# Altium PCB BMYY_PCB_RULER-Pink.PcbDoc (part 1 of 4)
Units mm, origin at the board's own origin, x right, y up, seen from the top; angles counter-clockwise.
Board outline 310.85 x 30 mm, 2 copper layers (Top, Bottom), stack 1.569 mm thick; 49 components, 0 nets, 2684 pads, 0 vias.
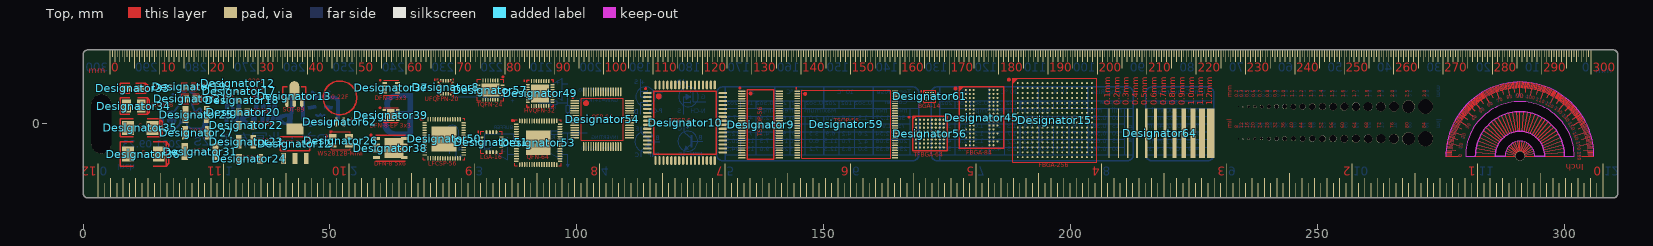
[diagram p0: Top view]
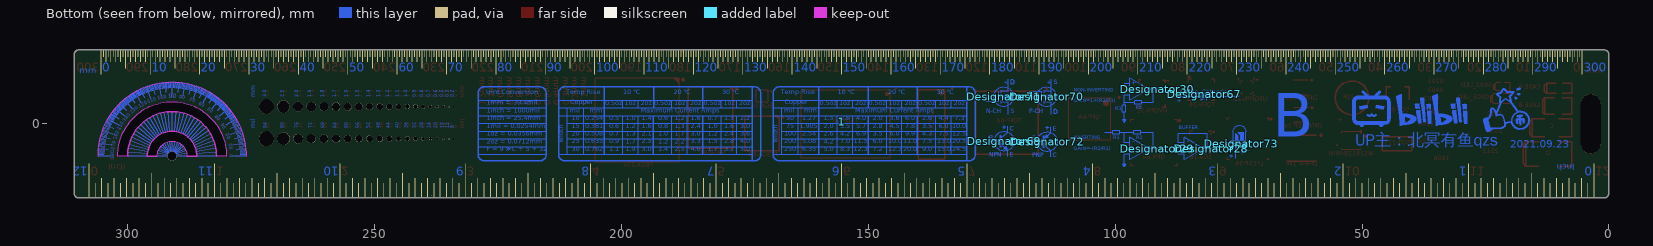
[diagram p1: Bottom view, seen from below]

## Layer stack, top to bottom
Solder Mask Top: solder mask 0.0102, Solder Resist, Dk 3.5
Top: signal copper 0.0343
Dielectric 1: dielectric 1.5, FR-4, Dk 4.3
Bottom: signal copper 0.0343
Solder Mask Bottom: solder mask 0.0102, Solder Resist, Dk 3.5

## Board outline
1,-15 cw(c1,-14) 0,-14 0,14 cw(c1,14) 1,15 309.85,15 cw(c309.85,14) 310.85,14 310.85,-14 cw(c309.85,-14) 309.85,-15
cut-out: 286,-6.5 cw(c291,-6.5) 296,-6.5 294,-6.5 ccw(c291,-6.5) 288,-6.5
cut-out: 280,-6.5 282,-6.5 cw(c291,-6.5) 300,-6.5 302,-6.5 ccw(c291,-6.5)
cut-out: 280,-6.5 282,-6.5 cw(c291,-6.5) 300,-6.5 302,-6.5 ccw(c291,-6.5)
cut-out: 286,-6.5 cw(c291,-6.5) 296,-6.5 294,-6.5 ccw(c291,-6.5) 288,-6.5

## Design rules (kind name [scope] priority, off if disabled: settings)
Clearance "Clearance - Default - DEFAULT- SMD" [IsVia vs IsSMTPin] p1: gap=0.152 ignorepadtopadclearanceinfootprint=FALSE
Clearance "Clearance - Default - DEFAULT - Via" [IsVia vs IsVia] p2: gap=0.152 ignorepadtopadclearanceinfootprint=FALSE
Clearance "Clearance - Default - DEFAULT - Net" [All] p3: gap=0.152 ignorepadtopadclearanceinfootprint=FALSE except(0: Arc-Hole Track-Hole SMDPad-Hole THPad-Hole Via-Hole Fill-Hole Poly-Hole Region-Hole Text-Hole; 0.254: Text-Text)
ComponentClearance "ComponentClearance - Default - DEFAULT" [All] p1: gap=0 collisioncheckmode=3 verticalgap=0 showdistances=FALSE
FanoutControl Fanout_Small [(CompPinCount < 5)] p3: bgadir=Out bgaviamode=Centered fanoutstyle=Auto fanoutdirection=OutThenIn viagrid=0.025 // Fanout_Small (Default Rule)
FanoutControl Fanout_SOIC [IsSOIC] p4: bgadir=Out bgaviamode=Centered fanoutstyle=Auto fanoutdirection=Alternating viagrid=0.025 // Fanout_SOIC (Default Rule)
HoleToHoleClearance "HoleToHoleClearance - Default - DEFAULT" [All] p1: gap=0.152 allowstackedmicrovias=TRUE
Length "Default Length" [All] p1: maxlimit=1270 minlimit=0
MaxMinImpedance "Default Impedance" [All] p1: minimum=50.00 maximum=150.0
ParallelSegment "Default Parallel Segment Adjasent" [All] p1: limit=25.4 gap=5.08
ParallelSegment "Default Parallel Segment Same Layer" [All] p2: limit=25.4 gap=5.08
PlaneConnect "Default PlaneConnect" [All] p1: planeconnectstyle=Relief reliefexpansion=0.508 reliefentries=0 reliefconductorwidth=0.381 reliefairgap=0.254
PolygonConnect "PolygonConnect - Default SMT" [IsSMTPin] p1: connectstyle=Relief reliefconductorwidth=0.254 reliefentries=4 polygonreliefangle="45 Angle" airgapwidth=0.254
PolygonConnect "PolygonConnect - Default Pad" [All] p2: connectstyle=Relief reliefconductorwidth=0.381 reliefentries=4 polygonreliefangle="45 Angle" airgapwidth=0.254
RoutingLayers "RoutingLayers - Default - DEFAULT" [All] p1: top layer_v5=TRUE bottom layer_v5=TRUE
RoutingPriority "RoutingPriority - Default - DEFAULT" [All] p1: routingpriority=3
RoutingTopology "Default Routing Topology" [All] p1: topology=Shortest
RoutingVias "RoutingVias - Default - DEFAULT" [All] p1: holewidth=0.94 width=1.397 viastyle="Through Hole" minholewidth=0.94 minwidth=1.397 maxholewidth=0.94 maxwidth=1.397
SMDToCorner "SMDToCorner - Default - DEFAULT" [All] p1: distance=60000
SolderMaskExpansion [All] p1: expansion=0.102 istentingtop=FALSE
Width "Default Width" [All] p1: maxlimit=0.305 minlimit=0.152 preferedwidth=0.152
22 further rules are at their usual default settings.

## Components (designator, comment, footprint, x,y, rotation, side; value= is the part's Value field where it differs from the comment)
1 "RULE17AA" RULE17AA 155.421,0.398 r180 bottom locked
Designator8 "Comment" UFQFPN-20 73.416,7.406 r270 top
Designator9 "Comment" TSSOP-56 137.209,-0.12 r270 top
Designator10 "Comment" TQFP-64_14X14X08P 121.929,0.237 r270 top
Designator12 "Comment" 0201 31.364,8.2 r0 top
Designator12 "Comment" SOT-223 42.9,-4 r270 top
Designator13 "Comment" SOT-89(SOT-89-3) 42.785,4.4 r270 top
Designator15 "Comment" FBGA-256 196.796,0.756 r270 top
Designator17 "Comment" 0402 31.624,6.665 r0 top
Designator18 "Comment" 0603 32.185,4.821 r0 top
Designator19 "Comment" 0603_LED_S1 21.5,7.5 r180 top
Designator20 "Comment" 0805 32.42,2.405 r0 top
Designator21 "Comment" 0805_LED_S1 21.8,5.1 r180 top
Designator22 "Comment" 1206 33.005,-0.29 r0 top
Designator23 "Comment" 1210 33.005,-3.59 r0 top
Designator24 "Comment" 1806 33.7,-7.1 r0 top
Designator25 "Comment" 1812 22.9,1.9 r0 top
Designator26 "Comment" LED-SMD_4P-L3.5-W3.5-TL_WS2812B 52.207,-3.432 r0 top
Designator27 "Comment" 2010 23,-1.8 r0 top
Designator28 "Comment" BUFFER 80.5,-5 r180 bottom
Designator29 "Comment" INVERTING 91.5,-5 r180 bottom
Designator30 "Comment" NON-INVERTING 91.5,7 r180 bottom
Designator31 "Comment" 2512 23.7,-5.6 r0 top
Designator33 "Comment" CASE-A_3216 10.09,7.2 r0 top
Designator34 "Comment" CASE-B_3528 10.28,3.6 r0 top
Designator35 "Comment" CASE-C_6032 11.56,-0.8 r0 top
Designator36 "Comment" CASE-D_7343 12.2,-6.1 r0 top
Designator37 "Comment" DFN-8_3X3MM 62.4,7.325 r270 top
Designator38 "Comment" DFN-8_5X6MM 62.225,-4.892 r270 top
Designator39 "Comment" DFN-8_EP_3X3MM 62.332,1.797 r270 top
Designator45 "Comment" FBGA-84_9X12.5MM 181.981,1.281 r270 top
Designator49 "Comment" HVQFN-32_5X5X05P 92.563,6.165 r270 top
Designator50 "Comment" LFCSP-56_8X8X05P 73.107,-3.038 r270 top
Designator51 "Comment" LGA-16_4X4MM 82.711,-3.705 r270 top
Designator53 "Comment" QFN-64_9X9X05P 92.16,-3.811 r270 top
Designator54 "Comment" QFP-64_10X10X05P 105.112,0.952 r270 top
Designator56 "Comment" TFBGA-64 171.495,-1.958 r270 top
Designator57 "Comment" TQFN-24_EP_4X5X05P 82.503,6.842 r180 top
Designator59 "Comment" TSOP-56_14X20MM 154.53,-0.109 r0 top
Designator61 "Comment" BGA-14 171.438,5.587 r270 top
Designator62 "Comment" CAP-TH_DMS3R3224 52.018,0.42 r270 top
Designator64 "Comment" PITCHAAAAA 207.791,-1.9 r90 top
Designator67 "Comment" DIODE-SYMB 82,6 r180 bottom
Designator69 "Comment" NPN-SYMB 122.459,-3.5 r180 bottom
Designator70 "Comment" PMOS-SYMB 113.9,5.5 r180 bottom
Designator71 "Comment" NMOS-SYMB 122.6,5.5 r180 bottom
Designator72 "Comment" PNP-SYMB 113.759,-3.6 r180 bottom
Designator73 "Comment" LED-GUIDE 74.5,-4 r180 bottom
? "RULE17AA" RULE17AA 155.421,0.398 r0 top locked

## Footprints (in the part's own frame and the unit in brackets; to place one, negate y for a bottom-side part, rotate by r counter-clockwise, add the part's x,y. Pads: shape width x height; smd on the part's side, far side on the other; paste and mask are expansions set on the pad)
0201 [mm]
  rect 0.36x0.4 smd mask+0.051: 1(-0.285,0) 2(0.285,0)
0402 [mm]
  rect 0.6x0.65 smd mask+0.051: 1(-0.425,0) 2(0.425,0)
0603 [mm]
  rect 0.93x0.98 smd: 1(-0.77,0) 2(0.77,0)
0603_LED_S1 [mm]
  rect 0.93x0.98 smd: A(0.77,0) K(-0.77,0)
  Top region: -1.975,-0.6 -1.675,-0.6 -1.675,0.6 -1.975,0.6
  Top lines w0.2: 0.4,0.79 1.535,0.79 1.535,-0.79 0.4,-0.79 ; -0.4,0.79 -1.3,0.79 -1.5,0.597 -1.5,-0.597 -1.3,-0.79 -0.4,-0.79
  body extent -0.8,-0.4 0.8,0.4, height 0.6
0805 [mm]
  rect 1.16x1.47 smd: 1(-0.89,0) 2(0.89,0)
  body extent -1,-0.63 1,0.63, height 0.55
0805_LED_S1 [mm]
  rect 1.16x1.47 smd: A(0.89,0) K(-0.89,0)
  Top region: -2.245,-0.8 -1.945,-0.8 -1.945,0.8 -2.245,0.8
  Top lines w0.2: 0.45,1.035 1.77,1.035 1.77,-1.035 0.45,-1.035 ; -0.45,1.035 -1.55,1.035 -1.77,0.8 -1.77,-0.8 -1.535,-1.035 -0.45,-1.035
  body extent -1.01,-0.62 1.01,0.62, height 1.1
1206 [mm]
  rect 1.13x1.8 smd: 1(-1.49,0) 2(1.49,0)
1210 [mm]
  rect 1.16x2.72 smd: 1(-1.475,0) 2(1.475,0)
1806 [mm]
  rect 1.2x2.1 smd: 1(-2.15,0) 2(2.15,0)
1812 [mm]
  rect 1.2x3.42 smd: 1(-2.15,0) 2(2.15,0)
2010 [mm]
  rect 1.2x2.67 smd: 1(-2.34,0) 2(2.34,0)
2512 [mm]
  rect 1.25x3.42 smd: 1(-3.1,0) 2(3.1,0)
BGA-14 [mm]
  round 0.3 smd mask+0.051: A1(-0.75,-0.75) A2(-0.75,-0.25) A3(-0.75,0.25) A4(-0.75,0.75) B1(-0.25,-0.75) B3(-0.25,0.25) B4(-0.25,0.75) C1(0.25,-0.75) C2(0.25,-0.25) C3(0.25,0.25) C4(0.25,0.75) D1(0.75,-0.75) D2(0.75,-0.25) D4(0.75,0.75)
  Top circle w0.25: c-1.05,-1.7 r0.12
  Top lines w0.2: -0.975,-1.2 -1.175,-0.975 ; 1.2,-1.2 -1.2,-1.2 -1.2,1.2 1.2,1.2 1.2,-1.2
BUFFER [mm]
  Top lines w0.152: 0,0 -1.6,0 ; -0.8,0 -0.8,3.05 -6.697,3.05 -6.697,1.15 -5.497,1.15 ; -6.697,-1.15 -5.497,-1.15 ; -1.6,0 -5.497,2.25 -5.497,1.15 ; -1.6,0 -5.497,-2.25 -5.497,-1.15 ; -5.497,-1.15 -5.497,1.15
CAP-TH_DMS3R3224 [mm]
  rect 1.8x0.5 smd: 1(-0.001,0.749) 2(0.001,-0.749)
  Top circle w0.254: c-4.86,0 r3.401
CASE-A_3216 [mm]
  rect 1.8x1.35 smd: 1(1.31,0) 2(-1.31,0)
  Top lines w0.254: -0.6,-1.002 -2.537,-1.002 -2.537,1.002 -0.6,1.002 ; 0.6,-1.002 2.537,-1.002 ; 0.6,1.002 2.537,1.002 ; 2.537,-1.002 2.973,-0.6 2.973,0.6 2.537,1.002 ; 2.537,-1.002 2.537,1.002
  body extent -1.7,-0.84 1.7,0.84, height 1.71
CASE-B_3528 [mm]
  rect 1.8x2.6 smd: 1(1.5,0) 2(-1.5,0)
  Top lines w0.254: -0.8,-1.65 -2.727,-1.65 -2.727,1.65 -0.8,1.65 ; 0.8,-1.65 2.727,-1.65 ; 0.8,1.65 2.727,1.65 ; 2.727,-1.65 2.727,1.65 ; 2.727,-1.65 3.163,-1.2 3.163,1.2 2.727,1.65
  body extent -1.85,-1.47 1.85,1.46, height 2.03
CASE-C_6032 [mm]
  rect 2.4x2.8 smd: 1(2.48,0) 2(-2.48,0)
  Top lines w0.254: -1.4,-1.85 -4.007,-1.85 -4.007,1.85 -1.4,1.85 ; 1.4,-1.85 4.007,-1.85 ; 1.4,1.85 4.007,1.85 ; 4.007,-1.85 4.007,1.85 ; 4.007,-1.85 4.47,-1.2 4.47,1.2 4.007,1.85
  body extent -3.05,-1.68 3.05,1.67, height 2.7
CASE-D_7343 [mm]
  rect 2.4x3 smd: 1(3.12,0) 2(-3.12,0)
  Top lines w0.254: -2,-2.5 -4.647,-2.5 -4.647,2.5 -2,2.5 ; 2,-2.5 4.647,-2.5 ; 2,2.5 4.647,2.5 ; 4.647,-2.5 4.647,2.5 ; 4.647,-2.5 5.1,-1.9 5.1,1.9 4.647,2.5
  body extent -3.7,-2.23 3.7,2.22, height 3.01
DFN-8_3X3MM [mm]
  rect 0.4x1 smd mask+0.051: 1(-0.975,-1.3) 2(-0.325,-1.3) 3(0.325,-1.3) 4(0.975,-1.3) 5(0.975,1.3) 6(0.325,1.3) 7(-0.325,1.3) 8(-0.975,1.3)
  Top circle w0.3: c-1.5,-2.2 r0.127
  Top lines w0.203: 1.5,-1.5 1.5,1.5 ; -1.5,-1.5 -1.5,1.5
DFN-8_5X6MM [mm]
  rect 4x3.81 smd: 0(0,0.716)
  rect 0.61x1.4 smd: 1(-1.905,-2.816) 2(-0.635,-2.816) 3(0.635,-2.816) 4(1.905,-2.816) 5(1.905,2.816) 6(0.635,2.816) 7(-0.635,2.816) 8(-1.905,2.816)
  Top circle w0.4: c-2.6,-3.9 r0.125
  Top lines w0.254: 2.63,-3 2.63,3 ; -2.63,-3 -2.63,3
DFN-8_EP_3X3MM [mm]
  rect 2.5x1.5 smd mask+0.051: 0(0,0)
  rect 0.4x0.7 smd mask+0.051: 1(-0.975,-1.35) 2(-0.325,-1.35) 3(0.325,-1.35) 4(0.975,-1.35) 5(-0.975,1.35) 6(-0.325,1.35) 7(0.325,1.35) 8(0.975,1.35)
  Top circle w0.3: c-1.5,-2.2 r0.127
  Top lines w0.203: 1.5,-1.5 1.5,1.5 ; -1.5,-1.5 -1.5,1.5
DIODE-SYMB [mm] "DIODE-SYMB"
  Top lines w0.152: 7,-0.5 0.6,-0.5 ; 0.6,-1.2 0.6,-0.5 ; 0.6,0.2 0.6,-0.5 ; -5.4,-0.5 -0.6,-0.5 ; 0.6,-0.5 -0.6,-1.2 -0.6,-0.5 ; 0.6,-0.5 -0.6,0.2 -0.6,-0.5
FBGA-84_9X12.5MM [mm]
  round 0.41 smd mask+0.051: A1(-5.6,-3.2) A2(-5.6,-2.4) A3(-5.6,-1.6) A7(-5.6,1.6) A8(-5.6,2.4) A9(-5.6,3.2) B1(-4.8,-3.2) B2(-4.8,-2.4) B3(-4.8,-1.6) B7(-4.8,1.6) B8(-4.8,2.4) B9(-4.8,3.2) C1(-4,-3.2) C2(-4,-2.4) C3(-4,-1.6) C7(-4,1.6) C8(-4,2.4) C9(-4,3.2) D1(-3.2,-3.2) D2(-3.2,-2.4) D3(-3.2,-1.6) D7(-3.2,1.6) D8(-3.2,2.4) D9(-3.2,3.2) E1(-2.4,-3.2) E2(-2.4,-2.4) E3(-2.4,-1.6) E7(-2.4,1.6) E8(-2.4,2.4) E9(-2.4,3.2) F1(-1.6,-3.2) F2(-1.6,-2.4) F3(-1.6,-1.6) F7(-1.6,1.6) F8(-1.6,2.4) F9(-1.6,3.2) G1(-0.8,-3.2) G2(-0.8,-2.4) G3(-0.8,-1.6) G7(-0.8,1.6) G8(-0.8,2.4) G9(-0.8,3.2) H1(0,-3.2) H2(0,-2.4) H3(0,-1.6) H7(0,1.6) H8(0,2.4) H9(0,3.2) J1(0.8,-3.2) J2(0.8,-2.4) J3(0.8,-1.6) J7(0.8,1.6) J8(0.8,2.4) J9(0.8,3.2) K2(1.6,-2.4) K3(1.6,-1.6) K7(1.6,1.6) K8(1.6,2.4) K9(1.6,3.2) L1(2.4,-3.2) L2(2.4,-2.4) L3(2.4,-1.6) L7(2.4,1.6) L8(2.4,2.4) M2(3.2,-2.4) M3(3.2,-1.6) M7(3.2,1.6) M8(3.2,2.4) M9(3.2,3.2) N1(4,-3.2) N2(4,-2.4) N3(4,-1.6) N7(4,1.6) N8(4,2.4) P2(4.8,-2.4) P3(4.8,-1.6) P7(4.8,1.6) P8(4.8,2.4) P9(4.8,3.2) R1(5.6,-3.2) R2(5.6,-2.4) R3(5.6,-1.6) R7(5.6,1.6) R8(5.6,2.4)
  Top circle w0.4: c-5.9,-5.3 r0.2
  Top region: -6.231,-4.5 -5.3,-4.5 -6.227,-3.573 -6.231,-3.573
  Top lines w0.254: 6.25,-4.5 6.25,4.5 -6.223,4.5 -6.223,-4.5 6.25,-4.5
FBGA-256 [mm]
  round 0.4 smd mask+0.051: A1(-7.5,-7.5) A2(-7.5,-6.5) A3(-7.5,-5.5) A4(-7.5,-4.5) A5(-7.5,-3.5) A6(-7.5,-2.5) A7(-7.5,-1.5) A8(-7.5,-0.5) A9(-7.5,0.5) A10(-7.5,1.5) A11(-7.5,2.5) A12(-7.5,3.5) A13(-7.5,4.5) A14(-7.5,5.5) A15(-7.5,6.5) A16(-7.5,7.5) B1(-6.5,-7.5) B2(-6.5,-6.5) B3(-6.5,-5.5) B4(-6.5,-4.5) B5(-6.5,-3.5) B6(-6.5,-2.5) B7(-6.5,-1.5) B8(-6.5,-0.5) B9(-6.5,0.5) B10(-6.5,1.5) B11(-6.5,2.5) B12(-6.5,3.5) B13(-6.5,4.5) B14(-6.5,5.5) B15(-6.5,6.5) B16(-6.5,7.5) C1(-5.5,-7.5) C2(-5.5,-6.5) C3(-5.5,-5.5) C4(-5.5,-4.5) C5(-5.5,-3.5) C6(-5.5,-2.5) C7(-5.5,-1.5) C8(-5.5,-0.5) C9(-5.5,0.5) C10(-5.5,1.5) C11(-5.5,2.5) C12(-5.5,3.5) C13(-5.5,4.5) C14(-5.5,5.5) C15(-5.5,6.5) C16(-5.5,7.5) D1(-4.5,-7.5) D2(-4.5,-6.5) D3(-4.5,-5.5) D4(-4.5,-4.5) D5(-4.5,-3.5) D6(-4.5,-2.5) D7(-4.5,-1.5) D8(-4.5,-0.5) D9(-4.5,0.5) D10(-4.5,1.5) D11(-4.5,2.5) D12(-4.5,3.5) D13(-4.5,4.5) D14(-4.5,5.5) D15(-4.5,6.5) D16(-4.5,7.5) E1(-3.5,-7.5) E2(-3.5,-6.5) E3(-3.5,-5.5) E4(-3.5,-4.5) E5(-3.5,-3.5) E6(-3.5,-2.5) E7(-3.5,-1.5) E8(-3.5,-0.5) E9(-3.5,0.5) E10(-3.5,1.5) E11(-3.5,2.5) E12(-3.5,3.5) E13(-3.5,4.5) E14(-3.5,5.5) E15(-3.5,6.5) E16(-3.5,7.5) F1(-2.5,-7.5) F2(-2.5,-6.5) F3(-2.5,-5.5) F4(-2.5,-4.5) F5(-2.5,-3.5) F6(-2.5,-2.5) F7(-2.5,-1.5) F8(-2.5,-0.5) F9(-2.5,0.5) F10(-2.5,1.5) F11(-2.5,2.5) F12(-2.5,3.5) F13(-2.5,4.5) F14(-2.5,5.5) F15(-2.5,6.5) F16(-2.5,7.5) G1(-1.5,-7.5) G2(-1.5,-6.5) G3(-1.5,-5.5) G4(-1.5,-4.5) G5(-1.5,-3.5) G6(-1.5,-2.5) G7(-1.5,-1.5) G8(-1.5,-0.5) G9(-1.5,0.5) G10(-1.5,1.5) G11(-1.5,2.5) G12(-1.5,3.5) G13(-1.5,4.5) G14(-1.5,5.5) G15(-1.5,6.5) G16(-1.5,7.5) H1(-0.5,-7.5) H2(-0.5,-6.5) H3(-0.5,-5.5) H4(-0.5,-4.5) H5(-0.5,-3.5) H6(-0.5,-2.5) H7(-0.5,-1.5) H8(-0.5,-0.5) H9(-0.5,0.5) H10(-0.5,1.5) H11(-0.5,2.5) H12(-0.5,3.5) H13(-0.5,4.5) H14(-0.5,5.5) H15(-0.5,6.5) H16(-0.5,7.5) J1(0.5,-7.5) J2(0.5,-6.5) J3(0.5,-5.5) J4(0.5,-4.5) J5(0.5,-3.5) J6(0.5,-2.5) J7(0.5,-1.5) J8(0.5,-0.5) J9(0.5,0.5) J10(0.5,1.5) J11(0.5,2.5) J12(0.5,3.5) J13(0.5,4.5) J14(0.5,5.5) J15(0.5,6.5) J16(0.5,7.5) K1(1.5,-7.5) K2(1.5,-6.5) K3(1.5,-5.5) K4(1.5,-4.5) K5(1.5,-3.5) K6(1.5,-2.5) K7(1.5,-1.5) K8(1.5,-0.5) K9(1.5,0.5) K10(1.5,1.5) K11(1.5,2.5) K12(1.5,3.5) K13(1.5,4.5) K14(1.5,5.5) K15(1.5,6.5) K16(1.5,7.5) L1(2.5,-7.5) L2(2.5,-6.5) L3(2.5,-5.5) L4(2.5,-4.5) L5(2.5,-3.5) L6(2.5,-2.5) L7(2.5,-1.5) L8(2.5,-0.5) L9(2.5,0.5) L10(2.5,1.5) L11(2.5,2.5) L12(2.5,3.5) L13(2.5,4.5) L14(2.5,5.5) L15(2.5,6.5) L16(2.5,7.5) M1(3.5,-7.5) M2(3.5,-6.5) M3(3.5,-5.5) M4(3.5,-4.5) M5(3.5,-3.5) M6(3.5,-2.5) M7(3.5,-1.5) M8(3.5,-0.5) M9(3.5,0.5) M10(3.5,1.5) M11(3.5,2.5) M12(3.5,3.5) M13(3.5,4.5) M14(3.5,5.5) M15(3.5,6.5) M16(3.5,7.5) N1(4.5,-7.5) N2(4.5,-6.5) N3(4.5,-5.5) N4(4.5,-4.5) N5(4.5,-3.5) N6(4.5,-2.5) N7(4.5,-1.5) N8(4.5,-0.5) N9(4.5,0.5) N10(4.5,1.5) N11(4.5,2.5) N12(4.5,3.5) N13(4.5,4.5) N14(4.5,5.5) N15(4.5,6.5) N16(4.5,7.5) P1(5.5,-7.5) P2(5.5,-6.5) P3(5.5,-5.5) P4(5.5,-4.5) P5(5.5,-3.5) P6(5.5,-2.5) P7(5.5,-1.5) P8(5.5,-0.5) P9(5.5,0.5) P10(5.5,1.5) P11(5.5,2.5) P12(5.5,3.5) P13(5.5,4.5) P14(5.5,5.5) P15(5.5,6.5) P16(5.5,7.5) R1(6.5,-7.5) R2(6.5,-6.5) R3(6.5,-5.5) R4(6.5,-4.5) R5(6.5,-3.5) R6(6.5,-2.5) R7(6.5,-1.5) R8(6.5,-0.5) R9(6.5,0.5) R10(6.5,1.5) R11(6.5,2.5) R12(6.5,3.5) R13(6.5,4.5) R14(6.5,5.5) R15(6.5,6.5) R16(6.5,7.5) T1(7.5,-7.5) T2(7.5,-6.5) T3(7.5,-5.5) T4(7.5,-4.5) T5(7.5,-3.5) T6(7.5,-2.5) T7(7.5,-1.5) T8(7.5,-0.5) T9(7.5,0.5) T10(7.5,1.5) T11(7.5,2.5) T12(7.5,3.5) T13(7.5,4.5) T14(7.5,5.5) T15(7.5,6.5) T16(7.5,7.5)
  Top circle w0.4: c-8.2,-9.3 r0.2
  Top region: -8.5,-7.5 -7.5,-8.5 -8.5,-8.5
  Top lines w0.2: -7.5,-8.5 -8.5,-7.5 ; 8.5,-8.5 8.5,8.5 -8.5,8.5 -8.5,-8.5 8.5,-8.5
HVQFN-32_5X5X05P [mm]
  rect 3.6x3.6 smd mask+0.051: 0(0,0)
  oval 0.28x0.8 smd mask+0.051: 1(-1.75,-2.5) 2(-1.25,-2.5) 3(-0.75,-2.5) 4(-0.25,-2.5) 5(0.25,-2.5) 6(0.75,-2.5) 7(1.25,-2.5) 8(1.75,-2.5) 17(1.75,2.5) 18(1.25,2.5) 19(0.75,2.5) 20(0.25,2.5) 21(-0.25,2.5) 22(-0.75,2.5) 23(-1.25,2.5) 24(-1.75,2.5)
  oval 0.8x0.28 smd mask+0.051: 9(2.5,-1.75) 10(2.5,-1.25) 11(2.5,-0.75) 12(2.5,-0.25) 13(2.5,0.25) 14(2.5,0.75) 15(2.5,1.25) 16(2.5,1.75) 25(-2.5,1.75) 26(-2.5,1.25) 27(-2.5,0.75) 28(-2.5,0.25) 29(-2.5,-0.25) 30(-2.5,-0.75) 31(-2.5,-1.25) 32(-2.5,-1.75)
  Top circle w0.25: c-2.575,-3.2 r0.125
  Top lines w0.254: 2.3,-2.7 2.75,-2.7 2.75,-2.25 ; -2.25,-2.7 -2.7,-2.7 -2.7,-2.25 ; 2.7,2.25 2.7,2.7 2.25,2.7 ; -2.75,2.25 -2.75,2.7 -2.3,2.7
INVERTING [mm]
  Top region: -6.7,-3.72 -6.4,-3.2 -7,-3.2
  Top region: -6.7,-3.72 -6.4,-3.2 -7,-3.2
  Top lines w0.152: 0,0 -1.6,0 ; -0.8,0 -0.8,3.25 -3.3,3.25 ; -4.7,3.25 -7.6,3.25 ; -6.7,3.2 -6.7,1.15 -6.697,1.15 -5.497,1.15 ; -9,3.25 -10.6,3.25 ; -1.6,0 -5.497,-2.25 -5.497,-1.15 ; -1.6,0 -5.497,2.25 -5.497,1.15 ; -5.497,-1.15 -5.497,1.15 ; -5.497,-1.15 -6.697,-1.15 -6.7,-1.15 -6.7,-3.2 ; -6.4,-3.2 -6.7,-3.72 ; -6.4,-3.2 -6.7,-3.2 ; -6.4,-3.2 -7,-3.2 ; -6.4,-3.2 -7,-3.2 ; -6.4,-3.2 -6.7,-3.2 ; -6.4,-3.2 -6.7,-3.72 ; -6.7,-3.72 -7,-3.2 ; -6.7,-3.72 -7,-3.2 ; -6.7,-3.2 -7,-3.2 ; -6.7,-3.2 -7,-3.2 ; -3.3,2.9 -4.7,2.9 -4.7,3.6 -3.3,3.6 -3.3,2.9 ; -7.6,2.9 -7.6,3.6 -9,3.6 -9,2.9 -7.6,2.9
LED-GUIDE [mm] "LED-GUIDE"
  Top region: -1.1,2 -0.6,1.5 -0.6,0.6 -1.1,0.6 -1.1,2
  Top region: -0.6,2.2 0.5,2.2 0.5,0.6 -0.1,0.6 -0.1,1.7 -0.6,2.2
  Top lines w0.15: 0.5,0.6 0.5,2.2 -0.6,2.2 -0.1,1.7 -0.1,0.6 ; -0.6,0.6 -0.6,1.5 -1.1,2 -1.1,0.6
  Top lines w0.152: 1.37,-1.29 1.21,-1.45 0.9,-1.45 0.75,-1.3 0.75,-0.68 0.89,-0.54 1.2,-0.54 1.35,-0.69 ; 0.2,-2 0.2,0 ; -1.1,-3 -1.1,0 ; -1.68,-1.47 -1.68,-0.85 -1.98,-0.55 -2.29,-0.86 -2.29,-1.11 ; -1.69,-1.11 -2.29,-1.11 ; -1.7,-2.5 -2.3,-2.5 ; -2,-2.8 -2,-2.2 ; -2.29,-1.47 -2.29,-1.11 ; 1,0.6 0.5,0.6 -0.1,0.6 -0.6,0.6 -1.1,0.6 -1.6,0.6 ; 1,0.6 1,0 0.2,0 ; 1,0.6 1,2.4 ccw(c-0.3,2.4) -0.3,3.7 ccw(c-0.3,2.4) -1.6,2.4 -1.6,0.6 ; 0.2,0 -1.1,0 ; -1.1,0 -2.1,0 -2.1,0.6 -1.6,0.6
LED-SMD_4P-L3.5-W3.5-TL_WS2812B [mm]
  rect 1.545x0.997 smd: 1(-1.638,0.89) 2(-1.638,-0.89) 3(1.638,-0.89) 4(1.638,0.89)
  Top lines w0.152: -2.145,1.579 -2.145,2.045 -1.777,2.045 ; -1.916,-1.579 -1.916,-1.816 1.916,-1.816 1.916,-1.579 ; -1.916,1.579 -1.916,1.816 1.916,1.816 1.916,1.579
  Top lines w0.254: -3.175,0.889 -2.667,0.889 ; -2.921,0.572 -2.921,1.206 ; 2.667,-0.889 3.048,-0.889
LFCSP-56_8X8X05P [mm]
  rect 5x5 smd mask+0.051: 0(0,0)
  oval 0.28x0.9 smd mask+0.051: 1(-3.25,-3.95) 2(-2.75,-3.95) 3(-2.25,-3.95) 4(-1.75,-3.95) 5(-1.25,-3.95) 6(-0.75,-3.95) 7(-0.25,-3.95) 8(0.25,-3.95) 9(0.75,-3.95) 10(1.25,-3.95) 11(1.75,-3.95) 12(2.25,-3.95) 13(2.75,-3.95) 14(3.25,-3.95) 29(3.25,3.95) 30(2.75,3.95) 31(2.25,3.95) 32(1.75,3.95) 33(1.25,3.95) 34(0.75,3.95) 35(0.25,3.95) 36(-0.25,3.95) 37(-0.75,3.95) 38(-1.25,3.95) 39(-1.75,3.95) 40(-2.25,3.95) 41(-2.75,3.95) 42(-3.25,3.95)
  oval 0.9x0.28 smd mask+0.051: 15(3.95,-3.25) 16(3.95,-2.75) 17(3.95,-2.25) 18(3.95,-1.75) 19(3.95,-1.25) 20(3.95,-0.75) 21(3.95,-0.25) 22(3.95,0.25) 23(3.95,0.75) 24(3.95,1.25) 25(3.95,1.75) 26(3.95,2.25) 27(3.95,2.75) 28(3.95,3.25) 43(-3.95,3.25) 44(-3.95,2.75) 45(-3.95,2.25) 46(-3.95,1.75) 47(-3.95,1.25) 48(-3.95,0.75) 49(-3.95,0.25) 50(-3.95,-0.25) 51(-3.95,-0.75) 52(-3.95,-1.25) 53(-3.95,-1.75) 54(-3.95,-2.25) 55(-3.95,-2.75) 56(-3.95,-3.25)
  Top circle w0.3: c-4,-4.7 r0.15
  Top lines w0.2: 3.775,-4.2 4.2,-4.2 4.2,-3.775 ; -3.775,-4.2 -4.2,-4.2 -4.2,-3.775 ; 4.2,3.775 4.2,4.2 3.775,4.2 ; -4.2,3.775 -4.2,4.2 -3.775,4.2
LGA-16_4X4MM [mm]
  oval 0.4x0.8 smd mask+0.051: 1(-0.975,-2.025) 2(-0.325,-2.025) 3(0.325,-2.025) 4(0.975,-2.025) 9(0.975,2.025) 10(0.325,2.025) 11(-0.325,2.025) 12(-0.975,2.025)
  oval 0.8x0.4 smd mask+0.051: 5(2.025,-0.975) 6(2.025,-0.325) 7(2.025,0.325) 8(2.025,0.975) 13(-2.025,0.975) 14(-2.025,0.325) 15(-2.025,-0.325) 16(-2.025,-0.975)
  Top circle w0.25: c-2.075,-2.675 r0.125
  Top lines w0.2: 1.525,-2.225 2.225,-2.225 2.225,-1.525 ; -1.525,-2.225 -2.225,-2.225 -2.225,-1.525 ; 2.225,1.525 2.225,2.225 1.525,2.225 ; -2.225,1.525 -2.225,2.225 -1.525,2.225
NMOS-SYMB [mm] "NMOS-SYMB"
  Top circle w0.152: c0,0 r2
  Top region: -0.4,0 0.4,0.5 0.4,-0.5 -0.4,0
  Top lines w0.15: 0.4,-0.5 -0.4,0 0.4,0.5 0.4,0 0.4,-0.5
  Top lines w0.152: 1,-3.5 1,-1.1 ; 1,3.5 1,1.1 -0.5,1.1 ; 0.4,0 1,0 1,-1.1 ; -0.5,-1.1 1,-1.1 ; -1,-1 -3.5,-1 ; 2.15,2.8 1.9,2.55 1.55,2.55 1.55,3.45 1.9,3.45 2.15,3.2 2.15,2.8
  Top lines w0.2: -0.4,0 -0.5,0 ; -0.5,-1.3 -0.5,-1.1 -0.5,-0.8 ; -0.5,-0.25 -0.5,0 ; -0.5,0.25 -0.5,0 ; -0.5,0.8 -0.5,1.1 -0.5,1.3 ; -1,-1 -1,1
NON-INVERTING [mm]
  Top region: -6.6,-6.72 -6.3,-6.2 -6.9,-6.2
  Top lines w0.152: 0,0 -1.6,0 ; -0.8,0 -0.8,-2.7 -3.1,-2.7 ; -4.5,-2.7 -6.7,-2.7 ; -6.7,-4.6 -6.7,-6.2 ; -6.7,-3.2 -6.7,-1.15 -6.697,-1.15 -5.497,-1.15 ; -6.7,1.15 -6.697,1.15 -5.497,1.15 ; -1.6,0 -5.497,-2.25 -5.497,-1.15 ; -1.6,0 -5.497,2.25 -5.497,1.15 ; -5.497,-1.15 -5.497,1.15 ; -6.4,-6.2 -6.7,-6.2 ; -6.4,-6.2 -7,-6.2 ; -6.4,-6.2 -6.7,-6.72 -7,-6.2 ; -6.7,-6.2 -7,-6.2 ; -3.1,-3.05 -3.1,-2.35 -4.5,-2.35 -4.5,-3.05 -3.1,-3.05 ; -6.35,-4.6 -7.05,-4.6 -7.05,-3.2 -6.35,-3.2 -6.35,-4.6
NPN-SYMB [mm] "NPN-SYMB"
  Top circle w0.17: c0,0 r2
  Top circle w0.17: c0,0 r2
  Top region: 0.7,-1.8 -0.2,-1.6 0.4,-0.9 0.7,-1.8
  Top region: -0.9,-1.2 -0.9,1.2 -0.6,1.2 -0.6,-1.2
  Top region: 0.7,-1.8 -0.2,-1.6 0.4,-0.9 0.7,-1.8
  Top region: -0.9,-1.2 -0.9,1.2 -0.6,1.2 -0.6,-1.2
  Top lines w0.152: 0.3,2.8 -0.3,2.8 0.3,2.8 ; 0,2.5 0,3.1 0,2.5
  Top lines w0.17: 0.7,-1.8 0.7,-3 0.7,-1.8 ; 0.7,-1.8 -0.8,-0.5 0.7,-1.8 ; 0.7,1.8 0.7,3 0.7,1.8 ; 0.7,1.8 -0.8,0.5 0.7,1.8 ; -0.8,0 -3,0 -0.8,0